# KiCad board rabbit_mask.kicad_pcb (continued)
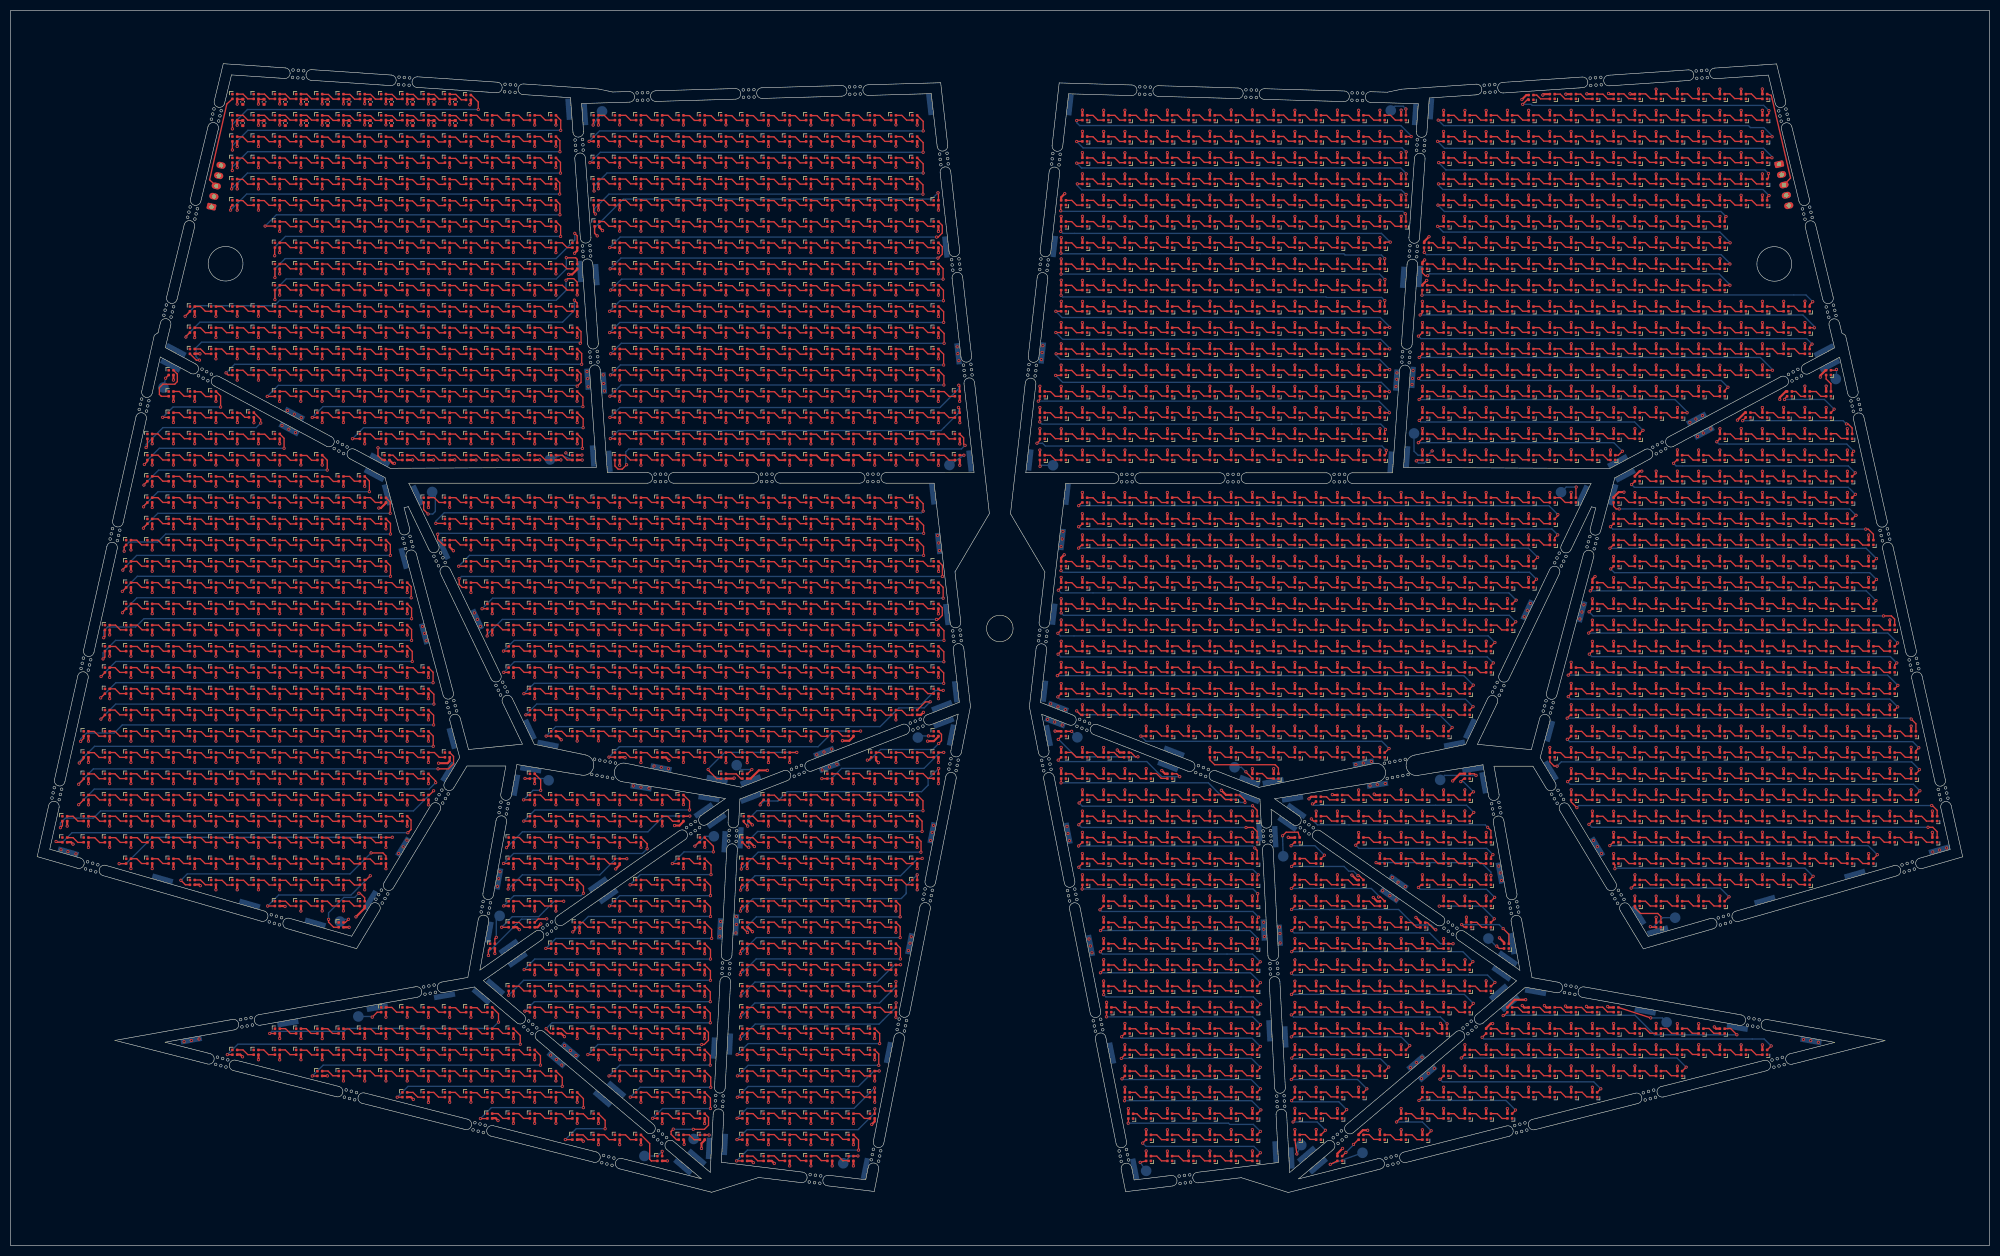
[diagram p0: board, top side]
## Nets (continued)
Net-(D1577-DOUT): D1577.3 D1624.1
Net-(D1578-DIN): D1578.1 D1579.3
Net-(D1579-DIN): D1579.1 D1580.3
Net-(D1580-DIN): D1580.1 D1581.3
Net-(D1581-DIN): D1581.1 D1582.3
Net-(D1582-DIN): D1582.1 D1583.3
Net-(D1583-DIN): D1583.1 D1584.3
Net-(D1584-DIN): D1584.1 D1585.3
Net-(D1585-DIN): D1585.1 D1586.3
Net-(D1586-DIN): D1586.1 D1587.3
Net-(D1587-DIN): D1587.1 D1588.3
Net-(D1588-DIN): D1588.1 D1589.3
Net-(D1589-DIN): D1589.1 D1590.3
Net-(D1590-DIN): D1590.1 D1591.3
Net-(D1591-DIN): D1591.1 D1592.3
Net-(D1593-DIN): D1593.1 D1594.3
Net-(D1593-DOUT): D1593.3 D1642.1
Net-(D1594-DIN): D1594.1 D1595.3
Net-(D1595-DIN): D1595.1 D1596.3
Net-(D1596-DIN): D1596.1 D1597.3
Net-(D1597-DIN): D1597.1 D1598.3
Net-(D1598-DIN): D1598.1 D1599.3
Net-(D1599-DIN): D1599.1 D1600.3
Net-(D1600-DIN): D1600.1 D1601.3
Net-(D1601-DIN): D1601.1 D1602.3
Net-(D1602-DIN): D1602.1 D1603.3
Net-(D1603-DIN): D1603.1 D1604.3
Net-(D1604-DIN): D1604.1 D1605.3
Net-(D1605-DIN): D1605.1 D1606.3
Net-(D1606-DIN): D1606.1 D1607.3
Net-(D1607-DIN): D1607.1 D1608.3
Net-(D1609-DIN): D1609.1 D1610.3
Net-(D1609-DOUT): D1609.3 D1658.1
Net-(D1610-DIN): D1610.1 D1611.3
Net-(D1611-DIN): D1611.1 D1612.3
Net-(D1612-DIN): D1612.1 D1613.3
Net-(D1613-DIN): D1613.1 D1614.3
Net-(D1614-DIN): D1614.1 D1615.3
Net-(D1615-DIN): D1615.1 D1616.3
Net-(D1616-DIN): D1616.1 D1617.3
Net-(D1617-DIN): D1617.1 D1618.3
Net-(D1618-DIN): D1618.1 D1619.3
Net-(D1619-DIN): D1619.1 D1620.3
Net-(D1620-DIN): D1620.1 D1621.3
Net-(D1621-DIN): D1621.1 D1622.3
Net-(D1622-DIN): D1622.1 D1623.3
Net-(D1623-DIN): D1623.1 D1624.3
Net-(D1625-DIN): D1625.1 D2048.3
Net-(D1626-DIN): D1626.1 D1627.3
Net-(D1626-DOUT): D1626.3 D1676.1
Net-(D1627-DIN): D1627.1 D1628.3
Net-(D1628-DIN): D1628.1 D1629.3
Net-(D1629-DIN): D1629.1 D1630.3
Net-(D1630-DIN): D1630.1 D1631.3
Net-(D1631-DIN): D1631.1 D1632.3
Net-(D1632-DIN): D1632.1 D1633.3
Net-(D1633-DIN): D1633.1 D1634.3
Net-(D1634-DIN): D1634.1 D1635.3
Net-(D1635-DIN): D1635.1 D1636.3
Net-(D1636-DIN): D1636.1 D1637.3
Net-(D1637-DIN): D1637.1 D1638.3
Net-(D1638-DIN): D1638.1 D1639.3
Net-(D1639-DIN): D1639.1 D1640.3
Net-(D1640-DIN): D1640.1 D1641.3
Net-(D1641-DIN): D1641.1 D1642.3
Net-(D1643-DIN): D1643.1 D1644.3
Net-(D1643-DOUT): D1643.3 D1690.1
Net-(D1644-DIN): D1644.1 D1645.3
Net-(D1645-DIN): D1645.1 D1646.3
Net-(D1646-DIN): D1646.1 D1647.3
Net-(D1647-DIN): D1647.1 D1648.3
Net-(D1648-DIN): D1648.1 D1649.3
Net-(D1649-DIN): D1649.1 D1650.3
Net-(D1650-DIN): D1650.1 D1651.3
Net-(D1651-DIN): D1651.1 D1652.3
Net-(D1652-DIN): D1652.1 D1653.3
Net-(D1653-DIN): D1653.1 D1654.3
Net-(D1654-DIN): D1654.1 D1655.3
Net-(D1655-DIN): D1655.1 D1656.3
Net-(D1656-DIN): D1656.1 D1657.3
Net-(D1657-DIN): D1657.1 D1658.3
Net-(D1659-DIN): D565.3 D1659.1
Net-(D1660-DIN): D1660.1 D1661.3
Net-(D1660-DOUT): D1660.3 D1709.1
Net-(D1661-DIN): D1661.1 D1662.3
Net-(D1662-DIN): D1662.1 D1663.3
Net-(D1663-DIN): D1663.1 D1664.3
Net-(D1664-DIN): D1664.1 D1665.3
Net-(D1665-DIN): D1665.1 D1666.3
Net-(D1666-DIN): D1666.1 D1667.3
Net-(D1667-DIN): D1667.1 D1668.3
Net-(D1668-DIN): D1668.1 D1669.3
Net-(D1669-DIN): D1669.1 D1670.3
Net-(D1670-DIN): D1670.1 D1671.3
Net-(D1671-DIN): D1671.1 D1672.3
Net-(D1672-DIN): D1672.1 D1673.3
Net-(D1673-DIN): D1673.1 D1674.3
Net-(D1674-DIN): D1674.1 D1675.3
Net-(D1675-DIN): D1675.1 D1676.3
Net-(D1677-DIN): D1677.1 D1678.3
Net-(D1677-DOUT): D1677.3 D1724.1
Net-(D1678-DIN): D1678.1 D1679.3
Net-(D1679-DIN): D1679.1 D1680.3
Net-(D1680-DIN): D1680.1 D1681.3
Net-(D1681-DIN): D1681.1 D1682.3
Net-(D1682-DIN): D1682.1 D1683.3
Net-(D1683-DIN): D1683.1 D1684.3
Net-(D1684-DIN): D1684.1 D1685.3
Net-(D1685-DIN): D1685.1 D1686.3
Net-(D1686-DIN): D1686.1 D1687.3
Net-(D1687-DIN): D1687.1 D1688.3
Net-(D1688-DIN): D1688.1 D1689.3
Net-(D1689-DIN): D1689.1 D1690.3
Net-(D1694-DIN): D1694.1 D1695.3
Net-(D1694-DOUT): D1694.3 D1740.1
Net-(D1695-DIN): D1695.1 D1696.3
Net-(D1696-DIN): D1696.1 D1697.3
Net-(D1697-DIN): D1697.1 D1698.3
Net-(D1698-DIN): D1698.1 D1699.3
Net-(D1699-DIN): D1699.1 D1700.3
Net-(D1700-DIN): D1700.1 D1701.3
Net-(D1701-DIN): D1701.1 D1702.3
Net-(D1702-DIN): D1702.1 D1703.3
Net-(D1703-DIN): D1703.1 D1704.3
Net-(D1704-DIN): D1704.1 D1705.3
Net-(D1705-DIN): D1705.1 D1706.3
Net-(D1706-DIN): D1706.1 D1707.3
Net-(D1707-DIN): D1707.1 D1708.3
Net-(D1708-DIN): D1708.1 D1709.3
Net-(D1710-DIN): D1710.1 D1711.3
Net-(D1710-DOUT): D1710.3 D1755.1
Net-(D1711-DIN): D1711.1 D1712.3
Net-(D1712-DIN): D1712.1 D1713.3
Net-(D1713-DIN): D1713.1 D1714.3
Net-(D1714-DIN): D1714.1 D1715.3
Net-(D1715-DIN): D1715.1 D1716.3
Net-(D1716-DIN): D1716.1 D1717.3
Net-(D1717-DIN): D1717.1 D1718.3
Net-(D1718-DIN): D1718.1 D1719.3
Net-(D1719-DIN): D1719.1 D1720.3
Net-(D1720-DIN): D1720.1 D1721.3
Net-(D1721-DIN): D1721.1 D1722.3
Net-(D1722-DIN): D1722.1 D1723.3
Net-(D1723-DIN): D1723.1 D1724.3
Net-(D1725-DIN): D1725.1 D1726.3
Net-(D1725-DOUT): D1725.3 D1771.1
Net-(D1726-DIN): D1726.1 D1727.3
Net-(D1727-DIN): D1727.1 D1728.3
Net-(D1728-DIN): D1728.1 D1729.3
Net-(D1729-DIN): D1729.1 D1730.3
Net-(D1730-DIN): D1730.1 D1731.3
Net-(D1731-DIN): D1731.1 D1732.3
Net-(D1732-DIN): D1732.1 D1733.3
Net-(D1733-DIN): D1733.1 D1734.3
Net-(D1734-DIN): D1734.1 D1735.3
Net-(D1735-DIN): D1735.1 D1736.3
Net-(D1736-DIN): D1736.1 D1737.3
Net-(D1737-DIN): D1737.1 D1738.3
Net-(D1738-DIN): D1738.1 D1739.3
Net-(D1739-DIN): D1739.1 D1740.3
Net-(D1741-DIN): D1741.1 D1742.3
Net-(D1741-DOUT): D1741.3 D1786.1
Net-(D1742-DIN): D1742.1 D1743.3
Net-(D1743-DIN): D1743.1 D1744.3
Net-(D1744-DIN): D1744.1 D1745.3
Net-(D1745-DIN): D1745.1 D1746.3
Net-(D1746-DIN): D1746.1 D1747.3
Net-(D1747-DIN): D1747.1 D1748.3
Net-(D1748-DIN): D1748.1 D1749.3
Net-(D1749-DIN): D1749.1 D1750.3
Net-(D1750-DIN): D1750.1 D1751.3
Net-(D1751-DIN): D1751.1 D1752.3
Net-(D1752-DIN): D1752.1 D1753.3
Net-(D1753-DIN): D1753.1 D1754.3
Net-(D1754-DIN): D1754.1 D1755.3
Net-(D1756-DIN): D1756.1 D1757.3
Net-(D1756-DOUT): D1756.3 D1802.1
Net-(D1757-DIN): D1757.1 D1758.3
Net-(D1758-DIN): D1758.1 D1759.3
Net-(D1759-DIN): D1759.1 D1760.3
Net-(D1760-DIN): D1760.1 D1761.3
Net-(D1761-DIN): D1761.1 D1762.3
Net-(D1762-DIN): D1762.1 D1763.3
Net-(D1763-DIN): D1763.1 D1764.3
Net-(D1764-DIN): D1764.1 D1765.3
Net-(D1765-DIN): D1765.1 D1766.3
Net-(D1766-DIN): D1766.1 D1767.3
Net-(D1767-DIN): D1767.1 D1768.3
Net-(D1768-DIN): D1768.1 D1769.3
Net-(D1769-DIN): D1769.1 D1770.3
Net-(D1770-DIN): D1770.1 D1771.3
Net-(D1772-DIN): D1772.1 D1773.3
Net-(D1772-DOUT): D1772.3 D1821.1
Net-(D1773-DIN): D1773.1 D1774.3
Net-(D1774-DIN): D1774.1 D1775.3
Net-(D1775-DIN): D1775.1 D1776.3
Net-(D1776-DIN): D1776.1 D1777.3
Net-(D1777-DIN): D1777.1 D1778.3
Net-(D1778-DIN): D1778.1 D1779.3
Net-(D1779-DIN): D1779.1 D1780.3
Net-(D1780-DIN): D1780.1 D1781.3
Net-(D1781-DIN): D1781.1 D1782.3
Net-(D1782-DIN): D1782.1 D1783.3
Net-(D1783-DIN): D1783.1 D1784.3
Net-(D1784-DIN): D1784.1 D1785.3
Net-(D1785-DIN): D1785.1 D1786.3
Net-(D1787-DIN): D1787.1 D1788.3
Net-(D1787-DOUT): D1787.3 D1837.1
Net-(D1788-DIN): D1788.1 D1789.3
Net-(D1789-DIN): D1789.1 D1790.3
Net-(D1790-DIN): D1790.1 D1791.3
Net-(D1791-DIN): D1791.1 D1792.3
Net-(D1792-DIN): D1792.1 D1793.3
Net-(D1793-DIN): D1793.1 D1794.3
Net-(D1794-DIN): D1794.1 D1795.3
Net-(D1795-DIN): D1795.1 D1796.3
Net-(D1796-DIN): D1796.1 D1797.3
Net-(D1797-DIN): D1797.1 D1798.3
Net-(D1798-DIN): D1798.1 D1799.3
Net-(D1799-DIN): D1799.1 D1800.3
Net-(D1800-DIN): D1800.1 D1801.3
Net-(D1801-DIN): D1801.1 D1802.3
Net-(D1803-DIN): D1803.1 D1804.3
Net-(D1803-DOUT): D1803.3 D1856.1
Net-(D1804-DIN): D1804.1 D1805.3
Net-(D1805-DIN): D1805.1 D1806.3
Net-(D1806-DIN): D1806.1 D1807.3
Net-(D1807-DIN): D1807.1 D1808.3
Net-(D1808-DIN): D1808.1 D1809.3
Net-(D1809-DIN): D1809.1 D1810.3
Net-(D1810-DIN): D1810.1 D1811.3
Net-(D1811-DIN): D1811.1 D1812.3
Net-(D1812-DIN): D1812.1 D1813.3
Net-(D1813-DIN): D1813.1 D1814.3
Net-(D1814-DIN): D1814.1 D1815.3
Net-(D1815-DIN): D1815.1 D1816.3
Net-(D1816-DIN): D1816.1 D1817.3
Net-(D1817-DIN): D1817.1 D1818.3
Net-(D1818-DIN): D1818.1 D1819.3
Net-(D1819-DIN): D1819.1 D1820.3
Net-(D1820-DIN): D1820.1 D1821.3
Net-(D1822-DIN): D1822.1 D1823.3
Net-(D1822-DOUT): D1822.3 D1872.1
Net-(D1823-DIN): D1823.1 D1824.3
Net-(D1824-DIN): D1824.1 D1825.3
Net-(D1825-DIN): D1825.1 D1826.3
Net-(D1826-DIN): D1826.1 D1827.3
Net-(D1827-DIN): D1827.1 D1828.3
Net-(D1828-DIN): D1828.1 D1829.3
Net-(D1829-DIN): D1829.1 D1830.3
Net-(D1830-DIN): D1830.1 D1831.3
Net-(D1831-DIN): D1831.1 D1832.3
Net-(D1832-DIN): D1832.1 D1833.3
Net-(D1833-DIN): D1833.1 D1834.3
Net-(D1834-DIN): D1834.1 D1835.3
Net-(D1835-DIN): D1835.1 D1836.3
Net-(D1836-DIN): D1836.1 D1837.3
Net-(D1838-DIN): D1838.1 D1839.3
Net-(D1838-DOUT): D1838.3 D1891.1
Net-(D1839-DIN): D1839.1 D1840.3
Net-(D1840-DIN): D1840.1 D1841.3
Net-(D1841-DIN): D1841.1 D1842.3
Net-(D1842-DIN): D1842.1 D1843.3
Net-(D1843-DIN): D1843.1 D1844.3
Net-(D1844-DIN): D1844.1 D1845.3
Net-(D1845-DIN): D1845.1 D1846.3
Net-(D1846-DIN): D1846.1 D1847.3
Net-(D1847-DIN): D1847.1 D1848.3
Net-(D1848-DIN): D1848.1 D1849.3
Net-(D1849-DIN): D1849.1 D1850.3
Net-(D1850-DIN): D1850.1 D1851.3
Net-(D1851-DIN): D1851.1 D1852.3
Net-(D1852-DIN): D1852.1 D1853.3
Net-(D1853-DIN): D1853.1 D1854.3
Net-(D1854-DIN): D1854.1 D1855.3
Net-(D1855-DIN): D1855.1 D1856.3
Net-(D1857-DIN): D1857.1 D1858.3
Net-(D1857-DOUT): D1857.3 D1907.1
Net-(D1858-DIN): D1858.1 D1859.3
Net-(D1859-DIN): D1859.1 D1860.3
Net-(D1860-DIN): D1860.1 D1861.3
Net-(D1861-DIN): D1861.1 D1862.3
Net-(D1862-DIN): D1862.1 D1863.3
Net-(D1863-DIN): D1863.1 D1864.3
Net-(D1864-DIN): D1864.1 D1865.3
Net-(D1865-DIN): D1865.1 D1866.3
Net-(D1866-DIN): D1866.1 D1867.3
Net-(D1867-DIN): D1867.1 D1868.3
Net-(D1868-DIN): D1868.1 D1869.3
Net-(D1869-DIN): D1869.1 D1870.3
Net-(D1870-DIN): D1870.1 D1871.3
Net-(D1871-DIN): D1871.1 D1872.3
Net-(D1873-DIN): D1873.1 D1874.3
Net-(D1873-DOUT): D1873.3 D1924.1
Net-(D1874-DIN): D1874.1 D1875.3
Net-(D1875-DIN): D1875.1 D1876.3
Net-(D1876-DIN): D1876.1 D1877.3
Net-(D1877-DIN): D1877.1 D1878.3
Net-(D1878-DIN): D1878.1 D1879.3
Net-(D1879-DIN): D1879.1 D1880.3
Net-(D1880-DIN): D1880.1 D1881.3
Net-(D1881-DIN): D1881.1 D1882.3
Net-(D1882-DIN): D1882.1 D1883.3
Net-(D1883-DIN): D1883.1 D1884.3
Net-(D1884-DIN): D1884.1 D1885.3
Net-(D1885-DIN): D1885.1 D1886.3
Net-(D1886-DIN): D1886.1 D1887.3
Net-(D1887-DIN): D1887.1 D1888.3
Net-(D1888-DIN): D1888.1 D1889.3
Net-(D1889-DIN): D1889.1 D1890.3
Net-(D1890-DIN): D1890.1 D1891.3
Net-(D1892-DIN): D1892.1 D1893.3
Net-(D1892-DOUT): D1892.3 D1942.1
Net-(D1893-DIN): D1893.1 D1894.3
Net-(D1894-DIN): D1894.1 D1895.3
Net-(D1895-DIN): D1895.1 D1896.3
Net-(D1896-DIN): D1896.1 D1897.3
Net-(D1897-DIN): D1897.1 D1898.3
Net-(D1898-DIN): D1898.1 D1899.3
Net-(D1899-DIN): D1899.1 D1900.3
Net-(D1900-DIN): D1900.1 D1901.3
Net-(D1901-DIN): D1901.1 D1902.3
Net-(D1902-DIN): D1902.1 D1903.3
Net-(D1903-DIN): D1903.1 D1904.3
Net-(D1904-DIN): D1904.1 D1905.3
Net-(D1905-DIN): D1905.1 D1906.3
Net-(D1906-DIN): D1906.1 D1907.3
Net-(D1908-DIN): D1908.1 D1909.3
Net-(D1908-DOUT): D1908.3 D1957.1
Net-(D1909-DIN): D1909.1 D1910.3
Net-(D1910-DIN): D1910.1 D1911.3
Net-(D1911-DIN): D1911.1 D1912.3
Net-(D1912-DIN): D1912.1 D1913.3
Net-(D1913-DIN): D1913.1 D1914.3
Net-(D1914-DIN): D1914.1 D1915.3
Net-(D1915-DIN): D1915.1 D1916.3
Net-(D1916-DIN): D1916.1 D1917.3
Net-(D1917-DIN): D1917.1 D1918.3
Net-(D1918-DIN): D1918.1 D1919.3
Net-(D1919-DIN): D1919.1 D1920.3
Net-(D1920-DIN): D1920.1 D1921.3
Net-(D1921-DIN): D1921.1 D1922.3
Net-(D1922-DIN): D1922.1 D1923.3
Net-(D1923-DIN): D1923.1 D1924.3
Net-(D1925-DOUT): D1925.3 D1960.1
Net-(D1926-DIN): D1926.1 D1927.3
Net-(D1926-DOUT): D1926.3 D1977.1
Net-(D1927-DIN): D1927.1 D1928.3
Net-(D1928-DIN): D1928.1 D1929.3
Net-(D1929-DIN): D1929.1 D1930.3
Net-(D1930-DIN): D1930.1 D1931.3
Net-(D1931-DIN): D1931.1 D1932.3
Net-(D1932-DIN): D1932.1 D1933.3
Net-(D1933-DIN): D1933.1 D1934.3
Net-(D1934-DIN): D1934.1 D1935.3
Net-(D1935-DIN): D1935.1 D1936.3
Net-(D1936-DIN): D1936.1 D1937.3
Net-(D1937-DIN): D1937.1 D1938.3
Net-(D1938-DIN): D1938.1 D1939.3
Net-(D1939-DIN): D1939.1 D1940.3
Net-(D1940-DIN): D1940.1 D1941.3
Net-(D1941-DIN): D1941.1 D1942.3
Net-(D1943-DIN): D1943.1 D1944.3
Net-(D1943-DOUT): D1943.3 D1990.1
Net-(D1944-DIN): D1944.1 D1945.3
Net-(D1945-DIN): D1945.1 D1946.3
Net-(D1946-DIN): D1946.1 D1947.3
Net-(D1947-DIN): D1947.1 D1948.3
Net-(D1948-DIN): D1948.1 D1949.3
Net-(D1949-DIN): D1949.1 D1950.3
Net-(D1950-DIN): D1950.1 D1951.3
Net-(D1951-DIN): D1951.1 D1952.3
Net-(D1952-DIN): D1952.1 D1953.3
Net-(D1953-DIN): D1953.1 D1954.3
Net-(D1954-DIN): D1954.1 D1955.3
Net-(D1955-DIN): D1955.1 D1956.3
Net-(D1956-DIN): D1956.1 D1957.3
Net-(D1958-DIN): D1958.1 D1959.3
Net-(D1958-DOUT): D1958.3 D1995.1
Net-(D1959-DIN): D1959.1 D1960.3
Net-(D1961-DIN): D1961.1 D1962.3
Net-(D1961-DOUT): D1961.3 D2012.1
Net-(D1962-DIN): D1962.1 D1963.3
Net-(D1963-DIN): D1963.1 D1964.3
Net-(D1964-DIN): D1964.1 D1965.3
Net-(D1965-DIN): D1965.1 D1966.3
Net-(D1966-DIN): D1966.1 D1967.3
Net-(D1967-DIN): D1967.1 D1968.3
Net-(D1968-DIN): D1968.1 D1969.3
Net-(D1969-DIN): D1969.1 D1970.3
Net-(D1970-DIN): D1970.1 D1971.3
Net-(D1971-DIN): D1971.1 D1972.3
Net-(D1972-DIN): D1972.1 D1973.3
Net-(D1973-DIN): D1973.1 D1974.3
Net-(D1974-DIN): D1974.1 D1975.3
Net-(D1975-DIN): D1975.1 D1976.3
Net-(D1976-DIN): D1976.1 D1977.3
Net-(D1978-DIN): D1978.1 D1979.3
Net-(D1978-DOUT): D1978.3 D2023.1
Net-(D1979-DIN): D1979.1 D1980.3
Net-(D1980-DIN): D1980.1 D1981.3
Net-(D1981-DIN): D1981.1 D1982.3
Net-(D1982-DIN): D1982.1 D1983.3
Net-(D1983-DIN): D1983.1 D1984.3
Net-(D1984-DIN): D1984.1 D1985.3
Net-(D1985-DIN): D1985.1 D1986.3
Net-(D1986-DIN): D1986.1 D1987.3
Net-(D1987-DIN): D1987.1 D1988.3
Net-(D1988-DIN): D1988.1 D1989.3
Net-(D1989-DIN): D1989.1 D1990.3
Net-(D1991-DIN): D1991.1 D1992.3
Net-(D1991-DOUT): D1991.3 D2030.1
Net-(D1992-DIN): D1992.1 D1993.3
Net-(D1993-DIN): D1993.1 D1994.3
Net-(D1994-DIN): D1994.1 D1995.3
Net-(D1996-DIN): D1996.1 D1997.3
Net-(D1996-DOUT): D1996.3 D2047.1
Net-(D1997-DIN): D1997.1 D1998.3
Net-(D1998-DIN): D1998.1 D1999.3
Net-(D1999-DIN): D1999.1 D2000.3
Net-(D2000-DIN): D2000.1 D2001.3
Net-(D2001-DIN): D2001.1 D2002.3
Net-(D2002-DIN): D2002.1 D2003.3
Net-(D2003-DIN): D2003.1 D2004.3
Net-(D2004-DIN): D2004.1 D2005.3
Net-(D2005-DIN): D2005.1 D2006.3
Net-(D2006-DIN): D2006.1 D2007.3
Net-(D2007-DIN): D2007.1 D2008.3
Net-(D2008-DIN): D2008.1 D2009.3
Net-(D2009-DIN): D2009.1 D2010.3
Net-(D2010-DIN): D2010.1 D2011.3
Net-(D2011-DIN): D2011.1 D2012.3
Net-(D2013-DIN): D2013.1 D2014.3
Net-(D2013-DOUT): D2013.3 D2057.1
Net-(D2014-DIN): D2014.1 D2015.3
Net-(D2015-DIN): D2015.1 D2016.3
Net-(D2016-DIN): D2016.1 D2017.3
Net-(D2017-DIN): D2017.1 D2018.3
Net-(D2018-DIN): D2018.1 D2019.3
Net-(D2019-DIN): D2019.1 D2020.3
Net-(D2020-DIN): D2020.1 D2021.3
Net-(D2021-DIN): D2021.1 D2022.3
Net-(D2022-DIN): D2022.1 D2023.3
Net-(D2024-DIN): D2024.1 D2025.3
Net-(D2024-DOUT): D2024.3 D2066.1
Net-(D2025-DIN): D2025.1 D2026.3
Net-(D2026-DIN): D2026.1 D2027.3
Net-(D2027-DIN): D2027.1 D2028.3
Net-(D2028-DIN): D2028.1 D2029.3
Net-(D2029-DIN): D2029.1 D2030.3
Net-(D2031-DIN): D2031.1 D2032.3
Net-(D2032-DIN): D2032.1 D2033.3
Net-(D2033-DIN): D2033.1 D2034.3
Net-(D2034-DIN): D2034.1 D2035.3
Net-(D2035-DIN): D2035.1 D2036.3
Net-(D2036-DIN): D2036.1 D2037.3
Net-(D2037-DIN): D2037.1 D2038.3
Net-(D2038-DIN): D2038.1 D2039.3
Net-(D2039-DIN): D2039.1 D2040.3
Net-(D2040-DIN): D2040.1 D2041.3
Net-(D2041-DIN): D2041.1 D2042.3
Net-(D2042-DIN): D2042.1 D2043.3
Net-(D2043-DIN): D2043.1 D2044.3
Net-(D2044-DIN): D2044.1 D2045.3
Net-(D2045-DIN): D2045.1 D2046.3
Net-(D2046-DIN): D2046.1 D2047.3
Net-(D2048-DIN): D2048.1 D2049.3
Net-(D2049-DIN): D2049.1 D2050.3
Net-(D2050-DIN): D2050.1 D2051.3
Net-(D2051-DIN): D2051.1 D2052.3
Net-(D2052-DIN): D2052.1 D2053.3
Net-(D2053-DIN): D2053.1 D2054.3
Net-(D2054-DIN): D2054.1 D2055.3
Net-(D2055-DIN): D2055.1 D2056.3
Net-(D2056-DIN): D2056.1 D2057.3
Net-(D2058-DIN): D2058.1 D2059.3
Net-(D2058-DOUT): D2058.3 D2077.1
Net-(D2059-DIN): D2059.1 D2060.3
Net-(D2060-DIN): D2060.1 D2061.3
Net-(D2061-DIN): D2061.1 D2062.3
Net-(D2062-DIN): D2062.1 D2063.3
Net-(D2063-DIN): D2063.1 D2064.3
Net-(D2064-DIN): D2064.1 D2065.3
Net-(D2065-DIN): D2065.1 D2066.3
Net-(D2067-DIN): D2067.1 D2068.3
Net-(D2067-DOUT): D2067.3 D2113.1
Net-(D2068-DIN): D2068.1 D2069.3
Net-(D2069-DIN): D2069.1 D2070.3
Net-(D2070-DIN): D2070.1 D2071.3
Net-(D2071-DIN): D2071.1 D2072.3
Net-(D2072-DIN): D2072.1 D2073.3
Net-(D2073-DIN): D2073.1 D2074.3
Net-(D2074-DIN): D2074.1 D2075.3
Net-(D2075-DIN): D2075.1 D2076.3
Net-(D2076-DIN): D2076.1 D2077.3
Net-(D2078-DIN): D2078.1 D2079.3
Net-(D2078-DOUT): D2078.3 D2136.1
Net-(D2079-DIN): D2079.1 D2080.3
Net-(D2080-DIN): D2080.1 D2081.3
Net-(D2081-DIN): D2081.1 D2082.3
Net-(D2082-DIN): D2082.1 D2083.3
Net-(D2083-DIN): D2083.1 D2084.3
Net-(D2084-DIN): D2084.1 D2085.3
Net-(D2085-DIN): D2085.1 D2086.3
Net-(D2086-DIN): D2086.1 D2087.3
Net-(D2087-DIN): D2087.1 D2088.3
Net-(D2088-DIN): D2088.1 D2089.3
Net-(D2089-DIN): D2089.1 D2090.3
Net-(D2090-DIN): D2090.1 D2091.3
Net-(D2091-DIN): D2091.1 D2092.3
Net-(D2092-DIN): D2092.1 D2093.3
Net-(D2093-DIN): D2093.1 D2094.3
Net-(D2094-DIN): D2094.1 D2095.3
Net-(D2095-DIN): D2095.1 D2096.3
Net-(D2096-DIN): D2096.1 D2097.3
Net-(D2097-DIN): D2097.1 D2098.3
Net-(D2098-DIN): D2098.1 D2099.3
Net-(D2099-DIN): D2099.1 D2100.3
Net-(D2100-DIN): D2100.1 D2101.3
Net-(D2102-DIN): D2102.1 D2103.3
Net-(D2102-DOUT): D2102.3 D2148.1
Net-(D2103-DIN): D2103.1 D2104.3
Net-(D2104-DIN): D2104.1 D2105.3
Net-(D2105-DIN): D2105.1 D2106.3
Net-(D2106-DIN): D2106.1 D2107.3
Net-(D2107-DIN): D2107.1 D2108.3
Net-(D2108-DIN): D2108.1 D2109.3
Net-(D2109-DIN): D2109.1 D2110.3
Net-(D2110-DIN): D2110.1 D2111.3
Net-(D2111-DIN): D2111.1 D2112.3
Net-(D2112-DIN): D2112.1 D2113.3
Net-(D2114-DIN): D2114.1 D2115.3
Net-(D2114-DOUT): D2114.3 D2171.1
Net-(D2115-DIN): D2115.1 D2116.3
Net-(D2116-DIN): D2116.1 D2117.3
Net-(D2117-DIN): D2117.1 D2118.3
Net-(D2118-DIN): D2118.1 D2119.3
Net-(D2119-DIN): D2119.1 D2120.3
Net-(D2120-DIN): D2120.1 D2121.3
Net-(D2121-DIN): D2121.1 D2122.3
Net-(D2122-DIN): D2122.1 D2123.3
Net-(D2123-DIN): D2123.1 D2124.3
Net-(D2124-DIN): D2124.1 D2125.3
Net-(D2125-DIN): D2125.1 D2126.3
Net-(D2126-DIN): D2126.1 D2127.3
Net-(D2127-DIN): D2127.1 D2128.3
Net-(D2128-DIN): D2128.1 D2129.3
Net-(D2129-DIN): D2129.1 D2130.3
Net-(D2130-DIN): D2130.1 D2131.3
Net-(D2131-DIN): D2131.1 D2132.3
Net-(D2132-DIN): D2132.1 D2133.3
Net-(D2133-DIN): D2133.1 D2134.3
Net-(D2134-DIN): D2134.1 D2135.3
Net-(D2135-DIN): D2135.1 D2136.3
Net-(D2137-DIN): D2137.1 D2138.3
Net-(D2137-DOUT): D2137.3 D2184.1
Net-(D2138-DIN): D2138.1 D2139.3
Net-(D2139-DIN): D2139.1 D2140.3
Net-(D2140-DIN): D2140.1 D2141.3
Net-(D2141-DIN): D2141.1 D2142.3
Net-(D2142-DIN): D2142.1 D2143.3
Net-(D2143-DIN): D2143.1 D2144.3
Net-(D2144-DIN): D2144.1 D2145.3
Net-(D2145-DIN): D2145.1 D2146.3
Net-(D2146-DIN): D2146.1 D2147.3
Net-(D2147-DIN): D2147.1 D2148.3
Net-(D2149-DIN): D2149.1 D2150.3
Net-(D2149-DOUT): D2149.3 D2207.1
Net-(D2150-DIN): D2150.1 D2151.3
Net-(D2151-DIN): D2151.1 D2152.3
Net-(D2152-DIN): D2152.1 D2153.3
Net-(D2153-DIN): D2153.1 D2154.3
Net-(D2154-DIN): D2154.1 D2155.3
Net-(D2155-DIN): D2155.1 D2156.3
Net-(D2156-DIN): D2156.1 D2157.3
Net-(D2157-DIN): D2157.1 D2158.3
Net-(D2158-DIN): D2158.1 D2159.3
Net-(D2159-DIN): D2159.1 D2160.3
Net-(D2160-DIN): D2160.1 D2161.3
Net-(D2161-DIN): D2161.1 D2162.3
Net-(D2162-DIN): D2162.1 D2163.3
Net-(D2163-DIN): D2163.1 D2164.3
Net-(D2164-DIN): D2164.1 D2165.3
Net-(D2165-DIN): D2165.1 D2166.3
Net-(D2166-DIN): D2166.1 D2167.3
Net-(D2167-DIN): D2167.1 D2168.3
Net-(D2168-DIN): D2168.1 D2169.3
Net-(D2169-DIN): D2169.1 D2170.3
Net-(D2170-DIN): D2170.1 D2171.3
Net-(D2172-DIN): D2172.1 D2173.3
Net-(D2172-DOUT): D2172.3 D2220.1
Net-(D2173-DIN): D2173.1 D2174.3
Net-(D2174-DIN): D2174.1 D2175.3
Net-(D2175-DIN): D2175.1 D2176.3
Net-(D2176-DIN): D2176.1 D2177.3
Net-(D2177-DIN): D2177.1 D2178.3
Net-(D2178-DIN): D2178.1 D2179.3
Net-(D2179-DIN): D2179.1 D2180.3
Net-(D2180-DIN): D2180.1 D2181.3
Net-(D2181-DIN): D2181.1 D2182.3
Net-(D2182-DIN): D2182.1 D2183.3
Net-(D2183-DIN): D2183.1 D2184.3
Net-(D2185-DIN): D2185.1 D2186.3
Net-(D2185-DOUT): D2185.3 D2243.1
Net-(D2186-DIN): D2186.1 D2187.3
Net-(D2187-DIN): D2187.1 D2188.3
Net-(D2188-DIN): D2188.1 D2189.3
Net-(D2189-DIN): D2189.1 D2190.3
Net-(D2190-DIN): D2190.1 D2191.3
Net-(D2191-DIN): D2191.1 D2192.3
Net-(D2192-DIN): D2192.1 D2193.3
Net-(D2193-DIN): D2193.1 D2194.3
Net-(D2194-DIN): D2194.1 D2195.3
Net-(D2195-DIN): D2195.1 D2196.3
Net-(D2196-DIN): D2196.1 D2197.3
Net-(D2197-DIN): D2197.1 D2198.3
Net-(D2198-DIN): D2198.1 D2199.3
Net-(D2199-DIN): D2199.1 D2200.3
Net-(D2200-DIN): D2200.1 D2201.3
Net-(D2201-DIN): D2201.1 D2202.3
Net-(D2202-DIN): D2202.1 D2203.3
Net-(D2203-DIN): D2203.1 D2204.3
Net-(D2204-DIN): D2204.1 D2205.3
Net-(D2205-DIN): D2205.1 D2206.3
Net-(D2206-DIN): D2206.1 D2207.3
Net-(D2208-DIN): D2208.1 D2209.3
Net-(D2208-DOUT): D2208.3 D2257.1
Net-(D2209-DIN): D2209.1 D2210.3
Net-(D2210-DIN): D2210.1 D2211.3
Net-(D2211-DIN): D2211.1 D2212.3
Net-(D2212-DIN): D2212.1 D2213.3
Net-(D2213-DIN): D2213.1 D2214.3
Net-(D2214-DIN): D2214.1 D2215.3
Net-(D2215-DIN): D2215.1 D2216.3
Net-(D2216-DIN): D2216.1 D2217.3
Net-(D2217-DIN): D2217.1 D2218.3
Net-(D2218-DIN): D2218.1 D2219.3
Net-(D2219-DIN): D2219.1 D2220.3
Net-(D2221-DIN): D2221.1 D2222.3
Net-(D2221-DOUT): D2221.3 D2279.1
Net-(D2222-DIN): D2222.1 D2223.3
Net-(D2223-DIN): D2223.1 D2224.3
Net-(D2224-DIN): D2224.1 D2225.3
Net-(D2225-DIN): D2225.1 D2226.3
Net-(D2226-DIN): D2226.1 D2227.3
Net-(D2227-DIN): D2227.1 D2228.3
Net-(D2228-DIN): D2228.1 D2229.3
Net-(D2229-DIN): D2229.1 D2230.3
Net-(D2230-DIN): D2230.1 D2231.3
Net-(D2231-DIN): D2231.1 D2232.3
Net-(D2232-DIN): D2232.1 D2233.3
Net-(D2233-DIN): D2233.1 D2234.3
Net-(D2234-DIN): D2234.1 D2235.3
Net-(D2235-DIN): D2235.1 D2236.3
Net-(D2236-DIN): D2236.1 D2237.3
Net-(D2237-DIN): D2237.1 D2238.3
Net-(D2238-DIN): D2238.1 D2239.3
Net-(D2239-DIN): D2239.1 D2240.3
Net-(D2240-DIN): D2240.1 D2241.3
Net-(D2241-DIN): D2241.1 D2242.3
Net-(D2242-DIN): D2242.1 D2243.3
Net-(D2244-DIN): D2244.1 D2245.3
Net-(D2244-DOUT): D2244.3 D2293.1
Net-(D2245-DIN): D2245.1 D2246.3
Net-(D2246-DIN): D2246.1 D2247.3
Net-(D2247-DIN): D2247.1 D2248.3
Net-(D2248-DIN): D2248.1 D2249.3
Net-(D2249-DIN): D2249.1 D2250.3
Net-(D2250-DIN): D2250.1 D2251.3
Net-(D2251-DIN): D2251.1 D2252.3
Net-(D2252-DIN): D2252.1 D2253.3
Net-(D2253-DIN): D2253.1 D2254.3
Net-(D2254-DIN): D2254.1 D2255.3
Net-(D2255-DIN): D2255.1 D2256.3
Net-(D2256-DIN): D2256.1 D2257.3
Net-(D2258-DIN): D2258.1 D2259.3
Net-(D2258-DOUT): D2258.3 D2315.1
Net-(D2259-DIN): D2259.1 D2260.3
Net-(D2260-DIN): D2260.1 D2261.3
Net-(D2261-DIN): D2261.1 D2262.3
Net-(D2262-DIN): D2262.1 D2263.3
Net-(D2263-DIN): D2263.1 D2264.3
Net-(D2264-DIN): D2264.1 D2265.3
Net-(D2265-DIN): D2265.1 D2266.3
Net-(D2266-DIN): D2266.1 D2267.3
Net-(D2267-DIN): D2267.1 D2268.3
Net-(D2268-DIN): D2268.1 D2269.3
Net-(D2269-DIN): D2269.1 D2270.3
Net-(D2270-DIN): D2270.1 D2271.3
Net-(D2271-DIN): D2271.1 D2272.3
Net-(D2272-DIN): D2272.1 D2273.3
Net-(D2273-DIN): D2273.1 D2274.3
Net-(D2274-DIN): D2274.1 D2275.3
Net-(D2275-DIN): D2275.1 D2276.3
Net-(D2276-DIN): D2276.1 D2277.3
Net-(D2277-DIN): D2277.1 D2278.3
Net-(D2278-DIN): D2278.1 D2279.3
Net-(D2280-DIN): D2280.1 D2281.3
Net-(D2280-DOUT): D2280.3 D2330.1
Net-(D2281-DIN): D2281.1 D2282.3
Net-(D2282-DIN): D2282.1 D2283.3
Net-(D2283-DIN): D2283.1 D2284.3
Net-(D2284-DIN): D2284.1 D2285.3
Net-(D2285-DIN): D2285.1 D2286.3
Net-(D2286-DIN): D2286.1 D2287.3
Net-(D2287-DIN): D2287.1 D2288.3
Net-(D2288-DIN): D2288.1 D2289.3
Net-(D2289-DIN): D2289.1 D2290.3
Net-(D2290-DIN): D2290.1 D2291.3
Net-(D2291-DIN): D2291.1 D2292.3
Net-(D2292-DIN): D2292.1 D2293.3
Net-(D2294-DIN): D2294.1 D2295.3
Net-(D2294-DOUT): D2294.3 D2351.1
Net-(D2295-DIN): D2295.1 D2296.3
Net-(D2296-DIN): D2296.1 D2297.3
Net-(D2297-DIN): D2297.1 D2298.3
Net-(D2298-DIN): D2298.1 D2299.3
Net-(D2299-DIN): D2299.1 D2300.3
Net-(D2300-DIN): D2300.1 D2301.3
Net-(D2301-DIN): D2301.1 D2302.3
Net-(D2302-DIN): D2302.1 D2303.3
Net-(D2303-DIN): D2303.1 D2304.3
Net-(D2304-DIN): D2304.1 D2305.3
Net-(D2305-DIN): D2305.1 D2306.3
Net-(D2306-DIN): D2306.1 D2307.3
Net-(D2307-DIN): D2307.1 D2308.3
Net-(D2308-DIN): D2308.1 D2309.3
Net-(D2309-DIN): D2309.1 D2310.3
Net-(D2310-DIN): D2310.1 D2311.3
Net-(D2311-DIN): D2311.1 D2312.3
Net-(D2312-DIN): D2312.1 D2313.3
Net-(D2313-DIN): D2313.1 D2314.3
Net-(D2314-DIN): D2314.1 D2315.3
Net-(D2316-DIN): D2316.1 D2317.3
Net-(D2316-DOUT): D2316.3 D2366.1
Net-(D2317-DIN): D2317.1 D2318.3
Net-(D2318-DIN): D2318.1 D2319.3
Net-(D2319-DIN): D2319.1 D2320.3
Net-(D2320-DIN): D2320.1 D2321.3
Net-(D2321-DIN): D2321.1 D2322.3
Net-(D2322-DIN): D2322.1 D2323.3
Net-(D2323-DIN): D2323.1 D2324.3
Net-(D2324-DIN): D2324.1 D2325.3
Net-(D2325-DIN): D2325.1 D2326.3
Net-(D2326-DIN): D2326.1 D2327.3
Net-(D2327-DIN): D2327.1 D2328.3
Net-(D2328-DIN): D2328.1 D2329.3
Net-(D2329-DIN): D2329.1 D2330.3
Net-(D2331-DIN): D2331.1 D2332.3
Net-(D2331-DOUT): D2331.3 D2387.1
Net-(D2332-DIN): D2332.1 D2333.3
Net-(D2333-DIN): D2333.1 D2334.3
Net-(D2334-DIN): D2334.1 D2335.3
Net-(D2335-DIN): D2335.1 D2336.3
Net-(D2336-DIN): D2336.1 D2337.3
